# Altium PCB Stabilizer.PCBDOC (part 6 of 8) (continued)
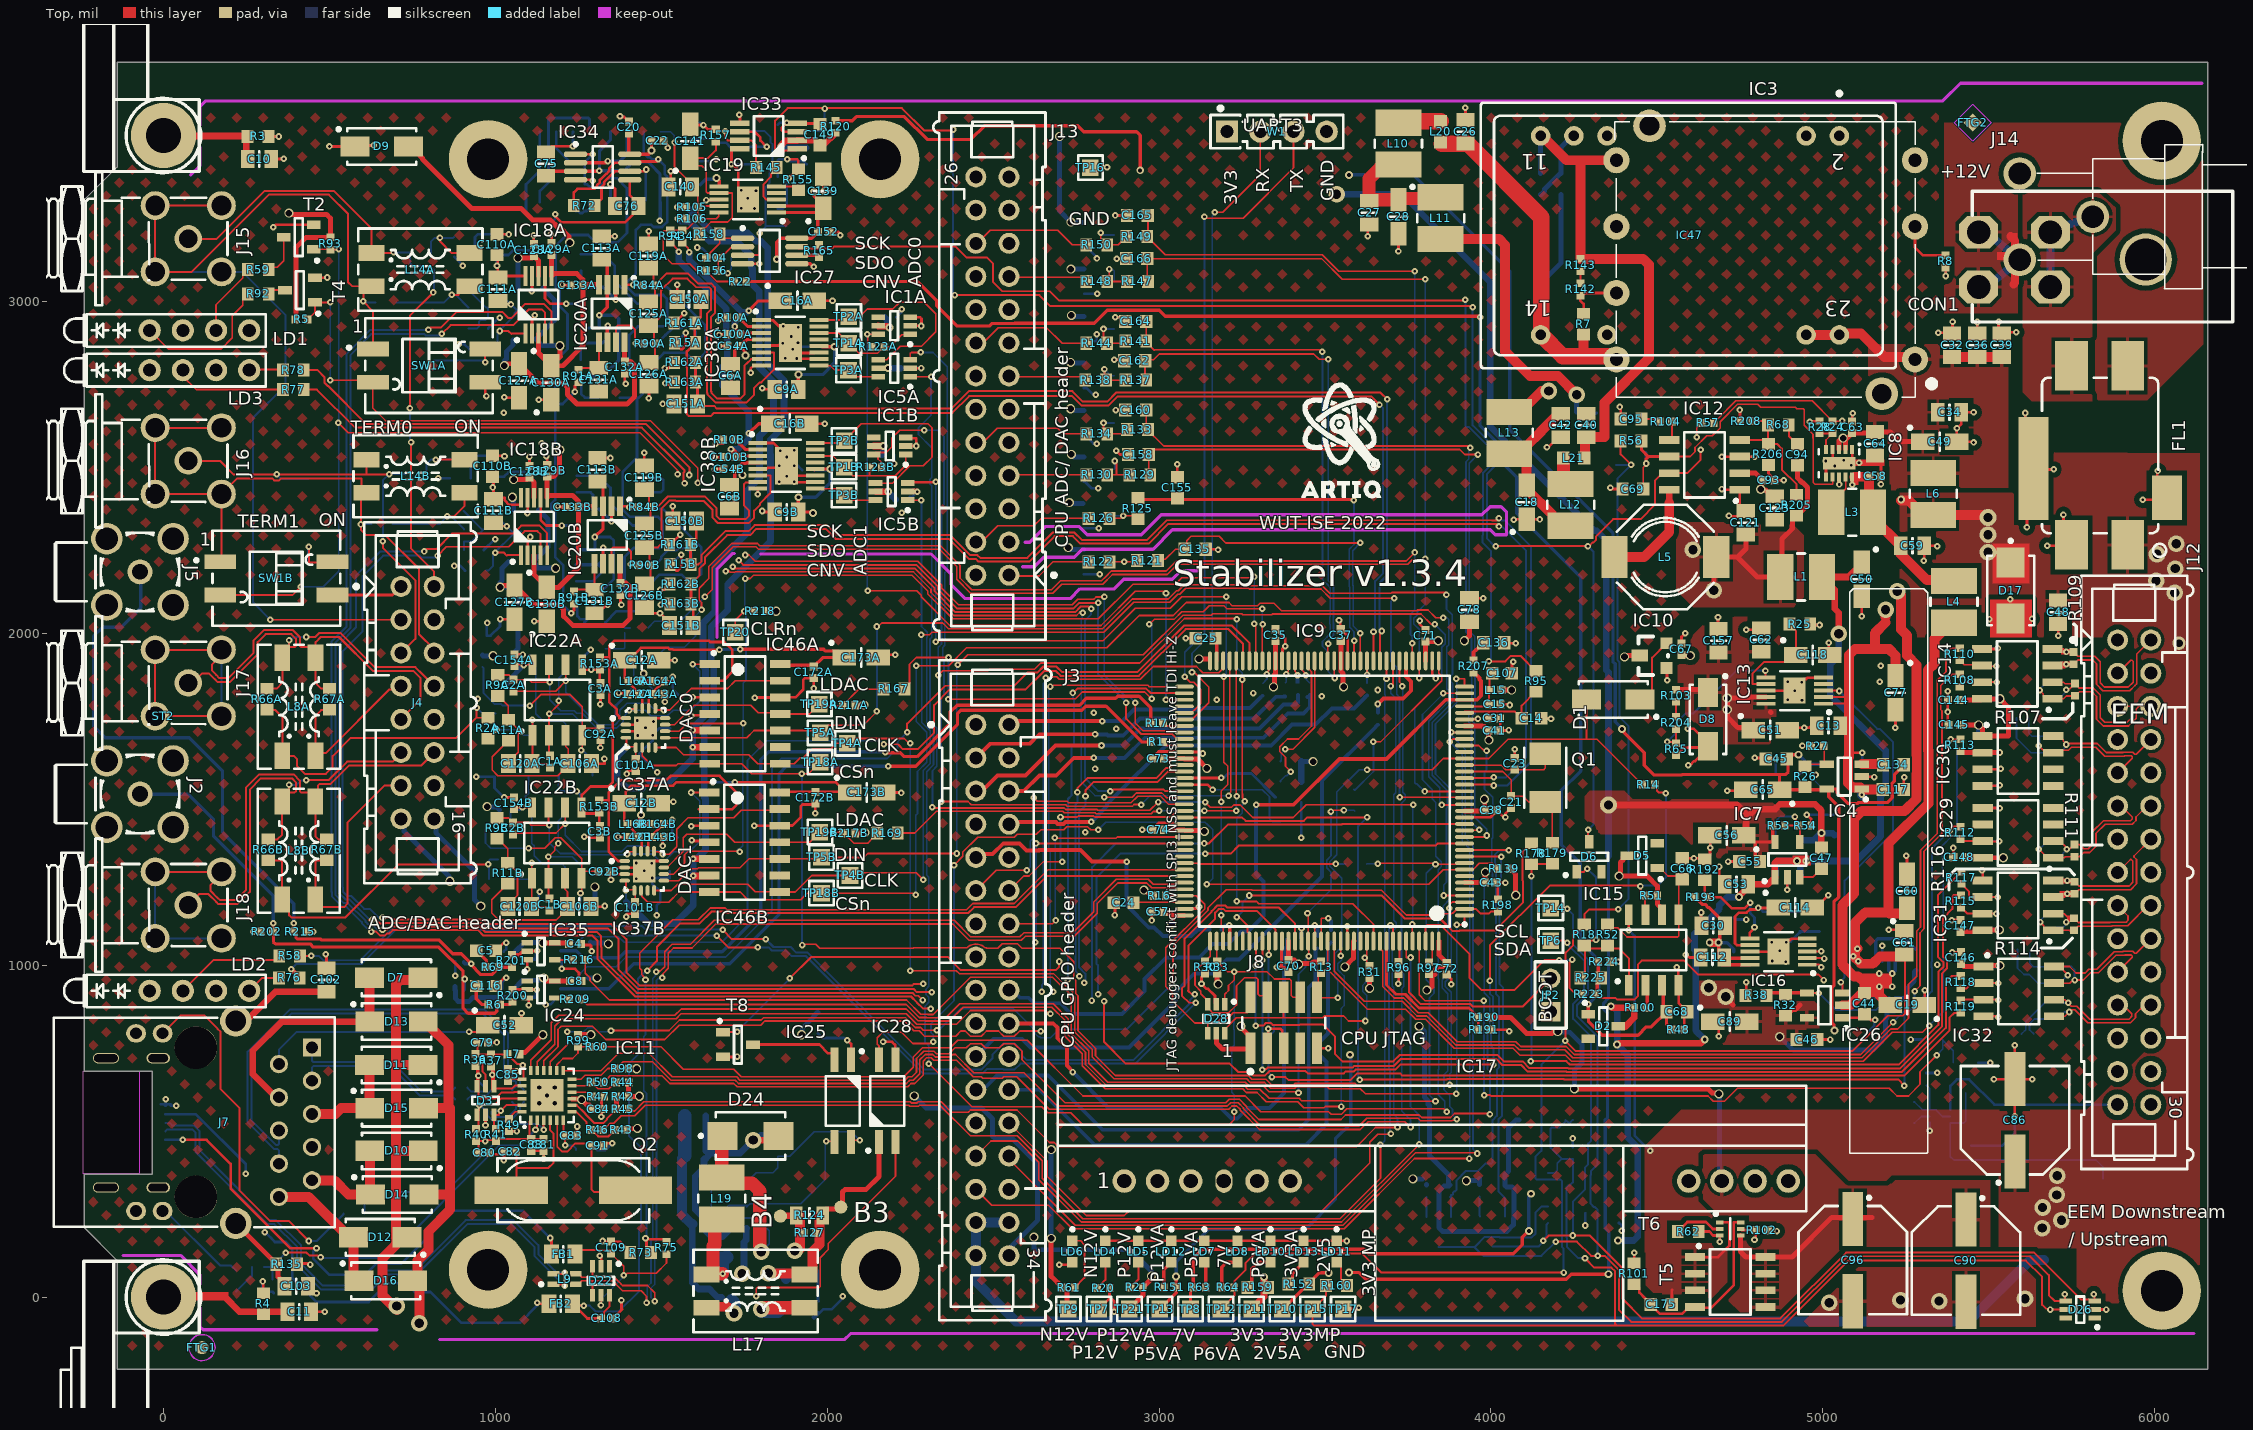
[diagram p0: Top view]
## Nets (pads, with @x,y where several pads share a name; then routed paths per layer and width w, separated by ;. In a path a pad name is that pad's centre, name@x,y a point inside that pad or via, vN(x,y) a via of type N, cw(c..) or ccw(c..) an arc to the next point about the centre after c; other vN are vias at no path point) (continued)
  Top w6: 2216.26,1662.83 2228.2,1650.89 2272.9,1650.89 2322.17,1700.16 2322.17,1783.4 2369.57,1830.81 2597.99,1830.81 2653.69,1886.5 2688.39,1886.5 2703.16,1871.74 2939.03,1871.74 3079.64,2012.34 3209.12,2012.34 3252.09,1969.38 IC9.67@3252.09,1916.94
  Bot w5: IC2.1@1196.31,1069.35 R214.1@1248.97,1069.35 1248.97,1070.14 1267.89,1089.05 1300.51,1089.05 1304.34,1085.22 1372.05,1085.22 1387.92,1069.35 1681.69,1069.35 1759.61,1147.26 1759.61,1617.75 1818.47,1676.61 2158.83,1676.61 v1(2169.74,1665.71)
OEn_DO1: IC9.66 IC21.1 R203.1 | length 2887.5
  Top w6: v1(2241,1702.26) 2241,1727.65 2355.35,1842.01 2563.43,1842.01 2603.16,1881.74 2633.36,1881.74 2651.71,1900.08 2690.37,1900.08 2707.71,1882.74 2934.47,1882.74 3075.37,2023.63 3219.22,2023.63 3271.78,1971.07 IC9.66@3271.78,1916.94
  Bot w5: IC21.1@1196.31,954.26 1235.86,954.26 R203.1@1243.34,961.74 1243.34,962.53 1276.08,995.26 1364.28,995.26 1393.75,1024.73 1694.24,1024.73 1833.62,1164.12 1833.62,1594.87 1861.66,1622.91 2180.65,1622.91 2211.88,1654.15 2211.88,1673.14 v1(2241,1702.26)
P2V5A: C7A.2 C7B.2 C9A.2 C9B.2 C47.2 C55.2 C56.1 C137A.2 C137B.2 C159A.2 C159B.2 C171.2 IC1A.5 IC1B.5 IC5A.5 IC5B.5 IC7.5 IC38A.12 IC38B.12 IC45.5 R53.2 R152.2 TP10.1 | length 9923.6
  Top w10: C9A.2@1912.99,2735.2 v4(1912.99,2779.76) ; v4(1913.13,2409.95) C9B.2@1913.13,2365.38 1955.07,2365.38 v4(1957.44,2363.02) ; IC38B.12@1959.39,2494.51 1961.55,2492.35 1964.2,2495 v4(2009,2495) ; IC38A.12@1984.26,2863.17 1991,2863.17 1991.19,2863.36 v4(2021.64,2863.36) ; TP10.1@3370.59,-36.02 3372.98,-36.02 3482,73 v4(3511,73) ; v4(3572,74) 3602.34,74 3622.21,54.13 4227.22,54.13 4242.09,69 v4(4354.5,69) ; C55.2@4796.68,1312.36 4796.68,1369.42 4798.65,1371.38 IC7.5@4855.76,1371.38 ; R53.2@4849.05,1420.63 4849.05,1378.1 IC7.5@4855.76,1371.38 ; IC7.5@4855.76,1357.02 IC7.5@4855.76,1371.38
  Top w20: IC1B.5@2139.77,2564.37 v4(2169.74,2564.37) ; IC5B.5@2145.77,2427 v4(2183.68,2427) ; IC1A.5@2153.36,2926.86 2154.5,2925.72 2179.65,2925.72 2183.68,2921.69 2187.31,2921.69 v4(2188,2921) ; v5(4354,1482.81) 4741.28,1482.81 4769.12,1454.97 4769.12,1442.83 ; C56.1@4769.12,1394 4769.12,1442.83 ; C47.2@4995.5,1353.7 v4(4995.5,1398.42) 4995.5,1465.84 4976.49,1484.85 4870.22,1484.85 4855.74,1470.37 4796.67,1470.37 4775.19,1448.9 4769.12,1442.83
  L3 w10: v4(1957.44,2363.02) 1996.46,2324 2113,2324 2147,2358 2147,2407 2191.67,2451.67 2133.53,2451.67 2079,2506.2 2079,2560 2114,2595 2114,2666.86 2073.61,2707.25 2174.34,2807.97 ; v4(2009,2495) 2009,2586.66 1972.16,2623.5 1972.16,2639.94 1989.91,2657.7 1989.91,2700.21 1957.29,2732.84 1957.29,2829.69 1989.77,2862.17 2025.66,2862.17 2105,2941.5 2105,2949 2225.06,2949 2345,3068.94 2345,3175 2356,3186 ; 3495.21,77.21 3498.41,74 ; v4(3511,73) 3499.41,73 3498.41,74 ; v4(3572,74) 3498.41,74
  L3 w20: 2351,3191 2385,3225 2640,3225 2766,3351 3498.69,3351 3526.69,3323 v5(3534.8,3323)
  Bot w10: v4(1912.99,2779.76) 1986.51,2779.76 2021.64,2814.89 v4(2021.64,2863.36) C137A.2@1982.1,2863.36 ; v4(1913.13,2409.95) 1964.8,2409.95 2009,2454.15 v4(2009,2495) 2006.54,2492.54 C137B.2@1959.39,2492.54 ; 4354,1329 4354,900.19 4339.19,885.38 4339.19,867.31 4351.11,855.39 4351.11,540.76 4344.24,533.89 4344.24,207.45 4354.5,197.19 v4(4354.5,69)
  Bot w20: C7B.2@2165.57,2538.45 2169.05,2541.93 2169.05,2563.68 v4(2169.74,2564.37) ; C7A.2@2172.86,2952.29 2181.09,2944.06 2181.09,2928.89 2188,2921.98 v4(2188,2921) ; v4@2183.14,2799.45 v4(2183,2799.31) 2183.54,2798.77 C159A.2@2221.28,2798.77 C159A.2@2221.14,2798.62 ; v4(2183.68,2427) 2183.68,2426.02 2203.36,2406.34 2203.36,2405.2 C159B.2@2205.57,2403 ; v5(3534.8,3323) 3732.85,3323 3998,3057.85 3998,2623 4312.07,2308.93 4318.91,2308.93 4347.53,2280.31 4347.53,1888.85 4354,1882.38 v5(4354,1482.81) 4354,1329 ; IC45.5@4932.51,1376.93 4973.34,1376.93 4994.83,1398.42 v4(4995.5,1398.42) 4996.2,1397.73 5029.36,1397.73 C171.2@5035,1392.09
P3V3: C4.2 C8.2 C35.1 C37.1 C38.1 C41.1 C43.1 C57.1 C67.1 C70.1 C71.1 C72.1 C73.1 C74.1 C78.2 C84.2 C94.2 C121.2 C144.2 C145.2 C146.2 C147.2 C148.2 C161.2 C163.2 D5.3 D18.2 D23.2 D25.2 D27.2 D28.5 D29.2 D30.5 D31.2 D33.2 D34.2 D35.2 IC2.5 IC9.6 IC9.17 IC9.30 IC9.39 IC9.52 IC9.62 IC9.72 IC9.84 IC9.95 IC9.108 IC9.121 IC9.131 IC9.144 IC10.3 IC11.9 IC14.8 IC15.6 IC21.5 IC23.1 IC24.5 IC29.8 IC30.1 IC31.8 IC32.1 IC35.5 IC36.1 IC39.8 IC40.1 IC41.8 J3.34 J8.1 JP2.1 L1.1 L5.2 L7.2 L15.1 LD1.2 LD1.4 R5.1 R13.1 R16.1 R23.1 R31.1 R33.1 R42.1 R43.1 R44.1 R51.1 R74.1 R93.1 R97.2 R98.1 R99.1 R139.2 R168.2 R180.2 R181.2 R203.2 R205.2 R214.2 R217A.1 R217B.1 W1.1 | length 22738.7
  Top w15: v2(378,3266) 382,3262 492,3262 503,3251 R93.1@503,3192.96 R93.1@503,3192.96 430,3193 399.07,3162.07 399.07,2945.77 R5.1@397.4,2945.77 ; L7.2@1072.64,731.64 1072.64,732.03 1076.95,736.35 1088.95,736.35 v2(1143.08,790.47) ; v2(1143.08,1067.38) IC35.5@1178.68,1067.38 1179.05,1067.01 1219.14,1067.01 C4.2@1222.2,1063.94 ; v2@1155.75,952.47 1178.31,952.47 IC24.5@1178.68,952.09 C8.2@1224.66,952.09 ; IC11.9@1230.29,596.11 v2@1249.81,596.11 ; R99.1@1249.21,790.88 1287.65,790.88 v2(1287.77,791) ; v2@1267.62,586.68 1274.94,579.36 1283.42,579.36 1294.2,568.58 C84.2@1291.88,566.26 ; R43.1@1397.75,507.17 v2@1428,507.17 ; R44.1@1401.38,647 1401.38,604.46 R42.1@1401.77,604.06 1433.06,604.06 v2(1434,605) ; R98.1@1401.38,688.56 1401.66,688.28 1425.44,688.28 v2(1425.72,688) ; R217A.1@2084.36,1783.51 R217A.1@2084.26,1783.4 2109.76,1783.4 v2(2109.87,1783.51) ; R217B.1@2084.46,1397.62 2085.38,1398.53 2112.37,1398.53 v2(2113.29,1399.45) ; v2(2954,1226.45) 2957.4,1226.45 2969.89,1213.96 2978.65,1213.96 2982.57,1210.05 R16.1@2982.57,1209.26 ; C57.1@3012.88,1161.03 3017.59,1156.32 3033.88,1156.32 3040,1150.2 ; C74.1@3014.85,1407.97 3015.78,1407.04 3074.98,1407.04 IC9.95@3075.91,1406.11 3133.59,1406.11 v2(3136.69,1403) ; C73.1@3014.85,1622.64 IC9.84@3075.91,1622.64 ; v2(3037.52,1123) 3039.93,1125.4 3039.93,1150.13 3040,1150.2 ; IC9.108@3075.91,1150.2 3040,1150.2 ; IC9.84@3075.91,1621.36 3115.63,1621.36 v2(3143.99,1593) ; v2(3120.2,1923) 3147.6,1923 IC9.72@3149.88,1920.72 ; D28.5@3172.23,795.56 3172.6,795.19 3172.6,765.78 3190.81,747.57 3273.06,747.57 J8.1@3275.58,750.09 3275.58,782.76 3248.66,809.68 3248.66,813.7 v2(3246.26,816.1) ; R33.1@3175.07,974.58 3175.07,946.13 3177.6,943.6 v2(3177.6,943) ; v2(3344.72,1838.53) 3347.44,1838.53 3347.44,1875.62 3350.52,1878.69 IC9.62@3350.52,1916.94 C35.1@3350.52,1976.91 ; IC9.121@3389.89,1072.45 3389.81,1072.37 C70.1@3389.81,1015.27 3407.73,1015.27 ; v2@3418.12,1004.88 3460.11,1004.88 3465.2,1009.97 3485.98,1009.97 R13.1@3488.31,1012.31 ; C37.1@3547.37,1976.91 IC9.52@3547.37,1916.94 3547.37,1885.63 3554.33,1878.67 v2@3554.33,1847.74 ; v2(3560,995.08) 3585.46,1020.54 3585.46,1071.17 IC9.131@3586.74,1072.45 ; v2(3634.39,930.24) R31.1@3634.39,960.94 ; IC9.39@3803.27,1916.94 3803.27,1973.75 C71.1@3802.08,1974.94 3838.51,1974.94 v2(3841.07,1977.5) ; R97.2@3812.95,972.37 3832.02,972.37 3832.02,987.15 3841.34,996.46 3856.12,996.46 C72.1@3866.84,1007.19 3842.64,1031.39 IC9.144@3842.64,1072.45 ; 3819.03,933.52 3822.96,933.52 R97.2@3822.96,970.97 ; v2(3920,1977.5) 3934.8,1992.31 C78.2@3934.8,2034.91 ; IC9.6@3920.4,1248.63 C43.1@3982.41,1248.63 3982.41,1279.9 v2(3983.14,1280.64) ; IC9.17@3920.4,1465.16 3980.56,1465.16 C38.1@3982.41,1467.01 3981.2,1468.22 3981.2,1498.8 v2(3980,1500) ; IC9.30@3920.4,1721.07 3920.81,1720.66 3970.06,1720.66 3970.47,1721.07 3972.72,1721.07 3972.72,1718.92 3980.37,1718.92 C41.1@3992.25,1707.04 3992.25,1679.65 v2(3993.82,1678.07) ; L15.1@4032.01,1829.19 v2(4062.17,1829.19) ; R139.2@4057.88,1290.7 4057.88,1289.92 4061.79,1286 4062.58,1286 4074.44,1274.14 v2(4074.44,1210.89) ; v2(4386,1268.6) 4471.07,1268.6 4501.31,1238.37 R51.1@4501.31,1209.75 4501.31,1184.04 4510.09,1175.26 4510.97,1175.26 4515.28,1170.95 IC15.6@4515.28,1152.25 ; 4390.4,1281.88 4390.4,1309.92 4397.58,1317.1 4397.58,1324.97 4402.88,1330.27 D5.3@4410.75,1330.27 ; v2(4402.31,1928.99) 4406.35,1933.04 IC10.3@4448.81,1933.04 ; C67.1@4574,1934.41 4574.89,1933.52 4599.65,1933.52 v2(4600.53,1932.63) ; v5(4671.19,2129.65) 4671.19,2221.95 L5.2@4678.9,2229.65 4742.68,2229.65 ; C121.2@4768.14,2281.33 4768.14,2255.12 4742.68,2229.65 ; C94.2@4923,2507.01 4923,2468.7 4937.16,2454.55 4939.03,2454.55 4954.13,2439.45 4954.13,2385.66 4922.97,2354.5 R205.2@4921,2354.5 4919.03,2354.5 4908.81,2344.29 4908.81,2316.41 4876.49,2284.08 4876.49,2174.77 L1.1@4871.49,2169.77 4802.56,2169.77 4742.68,2229.65 ; C144.2@5412.19,1799 5475.62,1799 IC14.8@5479.36,1802.74 v2(5533.67,1802.74) 5558.78,1777.63 5558.78,1690.31 IC30.1@5481.36,1690.31 5481.36,1711.75 v2(5469.33,1723.78) C145.2@5414.18,1723.78 ; C147.2@5414.58,1100.77 5477.08,1100.77 IC31.8@5481.36,1105.05 5482.74,1106.44 v2(5531.53,1106.44) ; C146.2@5416.18,1004.34 5424.5,996.02 IC32.1@5483.76,996.02 5486.45,998.72 v2(5533.53,998.72) ; C148.2@5428.31,1325.37 5480.16,1325.37 IC29.8@5481.76,1323.78 v2(5543.54,1323.78)
  L3 w15: LD1.2@58.43,2912.92 104.39,2958.89 212.46,2958.89 LD1.4@258.43,2912.92 311,2965.5 311,3211.16 308.41,3213.75 308.41,3234.41 340,3266 v2(378,3266) 393,3266 425.06,3298.06 1032.21,3298.06 1054.49,3320.34 1203.75,3320.34 1219.09,3305 1456.86,3305 1497.36,3345.5 1705.96,3345.5 1724.46,3364 1829,3364 1894.94,3298.06 2264.78,3298.06 2463.72,3497 v2(2700.05,3497) 2763,3497 2851.5,3585.5 3075.44,3585.5 3149.18,3511.77 W1.1@3204.88,3511.77 ; v2(1143.08,790.47) 1143.08,838.48 1191.6,887 ; v2(1260,595) 1424,595 ; v2(1425.72,688) 1425.72,691.19 1325.91,791 v2(1287.77,791) 1242.87,835.9 1220.5,835.9 1195.22,861.18 1195.22,883.38 1191.6,887 ; v2(1428,508) 1428,591 1424,595 ; v2@1428.91,688 1428.91,610.09 v2(1434,605) 1424,595 ; 1924.71,453.7 1924.71,475.96 ; v2(2734.02,3239.1) v2(2734.02,3097.61) 2734.02,2266.01 v2(2726.3,2258.3) 2726.3,2018.3 2726,2018 ; v2(2954,1226.45) 3023.86,1226.45 3032.92,1217.4 ; 3036.66,1012.87 3036.66,1122.13 v2(3037.52,1123) 3032.92,1127.61 3032.92,1217.4 ; v2(3136.69,1403) 3136.69,1400.03 3160.86,1375.86 3160.86,1326.75 3106.19,1272.07 3087.59,1272.07 3032.92,1217.4 ; v2(3177.6,943) 3210.5,943 3217.43,949.93 3220,947.36 ; v2(3246.26,816.1) 3246.26,825.57 3220,851.84 3220,947.36 ; v2(3344.72,1838.53) 3344.72,1866.12 3346.34,1867.75 3346.34,1890.79 ; v2(3556,1838.53) 3556,1887.23 ; v2@3803.73,927.13 3771.04,927.13 3767.93,930.24 3750.98,930.24 3725.78,905.05 3662.98,905.05 3637.78,930.24 v2(3634.39,930.24) 3634.39,930.89 3570.19,995.08 v2(3560,995.08) 3431.32,995.08 3423.4,1003 v2(3420,1003) 3420,995.08 3372.28,947.36 3220,947.36 ; v2(3806.84,924.73) 3809.12,927 v2@3820,927 ; v2(3993.82,1678.07) 4020,1651.89 4020,1649.18 ; JP2.1@4180,860.13 3886.87,860.13 v2@3820,927 ; v2(4386,1268.6) 4258.84,1268.6 4236.5,1290.95 4042.95,1290.95 4010.94,1258.94 4004.84,1258.94 ; v5(4671.19,2129.65) 4582.55,2129.65 4457.95,2005.05 4463.94,1999.06 4463.94,1955.92 4337.21,1829.19 v2(4062.17,1829.19) ; 1191.6,887 1191.6,916.14 v2(1146,961.74) 1146,990.74 1214.95,1059.69 1227.37,1059.69 1288.27,998.79 1300.7,998.79 1329.75,1027.84 1399.8,1027.84 1440.43,1068.47 1549.56,1068.47 1633.74,1152.65 1869.65,1152.65 1999,1282 1999,1404 2012.64,1417.64 2012.64,1514.72 2021.43,1523.5 2142.03,1523.5 2175.35,1490.18 2191.23,1490.18 2200.85,1499.8 2200.85,1585 2218.66,1602.8 2218.66,1795.94 2227.17,1804.45 2227.17,1997.58 2236.7,2007.11 2263.37,2007.11 2274.6,2018.34 2483.94,2018.34 2484.28,2018 2726,2018 ; 2726,2018 2824,2018 2919,1923 v2(3120.2,1923) 3314.14,1923 3346.34,1890.79 ; 3346.34,1890.79 3346.34,1897.06 3372.28,1923 3520.23,1923 3556,1887.23 ; 3556,1887.23 3556,1889.75 3570.19,1903.94 3767.5,1903.94 v2(3841.07,1977.5) v2(3920,1977.5) 4008.24,1977.5 4017.03,1968.72 4017.03,1899.97 4062.17,1854.83 v2(4062.17,1829.19) ; v2@3820,927 3820,991.97 4004.84,1176.8 4004.84,1258.94 ; 4004.84,1258.94 v2(3983.14,1280.64) 3983.14,1341.3 4030.64,1388.8 4030.64,1426.03 3982.4,1474.27 3982.4,1497.6 v2(3980,1500) 3980,1609.18 3994.52,1623.7 3995.85,1623.7 4020,1647.85 4020,1649.18 ; 4020,1649.18 4057,1686.18 4062.72,1686.18 4075.81,1699.27 4075.81,1704.99 4079.34,1708.52 4079.34,1812.02 v2(4062.17,1829.19)
  Bot w15: D30.5@878.96,935.4 D30.5@878.96,924.57 879.33,924.2 879.33,900.05 888.12,891.27 921.02,891.27 932.83,903.08 1037.53,903.08 1045.74,911.29 1045.74,917.94 C163.2@1056.47,928.67 1081.68,953.89 1109.32,953.89 IC21.5@1109.69,954.26 1110.07,954.63 1135.49,954.63 1142.6,961.74 v2(1146,961.74) ; C161.2@1060.48,1041.14 1088.32,1068.98 1109.32,1068.98 IC2.5@1109.69,1069.35 1110.07,1068.98 1141.48,1068.98 v2(1143.08,1067.38) ; R203.2@1280.35,961.74 v2(1306.5,961.74) ; R214.2@1285.98,1069.35 1288.98,1066.35 1338.1,1066.35 v2(1340.5,1063.94) ; v2(1922.87,790.47) 1924.71,792.31 1924.71,809.95 1959.87,845.11 1959.87,847.08 1970.09,857.3 R168.2@1972.06,857.3 ; v2(2262,606) 2297.73,570.27 2464.48,570.27 2497.8,536.95 2497.8,485.4 2506.58,476.61 2558.14,476.61 2634,400.75 2634,231.72 2547.8,145.52 J3.34@2547.8,124.73 ; v2(2700.05,3497) 2700.05,3273.06 v2(2734.02,3239.1) 2735.74,3237.37 D34.2@2774.37,3237.37 ; v2(2726.3,2258.3) 2732.03,2252.57 D23.2@2773.39,2252.57 ; v2(2729.35,2393.93) 2731.79,2391.49 D25.2@2770.43,2391.49 ; v2(2733.49,2676.7) 2738.92,2671.27 D29.2@2773.39,2671.27 ; v2(2733.49,2816.2) 2735.8,2813.89 D31.2@2773.39,2813.89 ; v2(2734.02,3097.61) D35.2@2774.37,3097.61 ; v2(2735.74,2538.91) 2743.14,2531.51 D27.2@2773.39,2531.51 ; v2(2735.74,2957.96) 2739.25,2954.45 D33.2@2774.37,2954.45 ; R180.2@3428.64,1613.61 3428.81,1613.44 3463.9,1613.44 v2(3464.06,1613.28) ; v2(3783.59,815.44) 3784.24,815.44 3799.49,800.2 3799.49,602.19 3810.46,591.22 3810.46,580.83 3814.49,576.8 3814.49,426.1 3871.26,369.33 3871.26,341.79 3875.17,337.88 R23.1@3875.96,337.88 3873.32,335.23 3859.12,335.23 3842.66,318.77 3842.66,209.22 3854.32,197.56 4047.67,197.56 4067.54,217.43 4067.54,236.44 4068.85,237.75 4068.85,326.45 4063.31,331.99 4046.22,331.99 R74.1@4042.3,335.91 4042.3,368.7 4052.93,379.32 4052.93,510.97 4075.94,533.98 D18.2@4085.05,533.98 ; v2(5469.33,1723.78) 5469,1723.45 5469,1694.62 5473.31,1690.31 IC39.8@5481.7,1690.31 ; IC23.1@5479.36,1802.74 v2(5533.67,1802.74) ; IC40.1@5481.36,1105.05 5482.05,1105.75 5530.83,1105.75 v2(5531.53,1106.44) ; IC36.1@5481.75,1323.77 v2(5543.54,1323.78) ; IC41.8@5483.76,996.02 5485.1,997.37 5532.18,997.37 v2(5533.53,998.72)
  Bot w20: R181.2@3428.64,1553.63 R180.2@3428.64,1613.61
  other v5: 4608.46,2252
P3V3_MP: C17.2 D18.1 D26.5 IC6.4 IC48.8 J12.30 R160.1 TP15.1 | length 4854.9
  Top w6: R160.1@3503.09,34.35 3503.09,4.44 TP15.1@3462.63,-36.02 3462.63,-81.63 3467,-86 4379.72,-86 ; v1(4283.31,117) 4311.5,88.81 4362.7,88.81 4374.31,77.21 4374.31,-80.59 4379.72,-86 ; D26.5@5732.39,-37.56 v1(5684.94,-37.56) 5682.57,-35.19 5672.66,-35.19 5660.61,-23.14 5660.61,60.96 5611.57,110 5077,110 4881,-86 4379.72,-86
  L3 w6: v1(5684.94,-37.56) 5737.64,-37.56 5743.86,-43.77 5792.86,-43.77 5837.2,0.57 5837.2,123.54 5822.15,138.59 5600.59,138.59 5578.5,160.68 5578.5,414.82 5622.02,458.33 5936.13,458.33 5988.13,510.33 J12.30@5988.13,579.79
  Bot w6: IC48.8@4172.15,373.41 4190.85,373.41 4199.66,382.22 4199.66,402.71 4213.32,416.36 ; D18.1@4246.47,533.98 4235.43,522.93 4229.03,529.33 4226.54,531.82 4224.94,533.42 4224.94,530.21 4206.16,511.44 4183.51,511.44 4180,507.92 4180,449.68 4213.32,416.36 ; v1(4283.31,117) 4263,117 4229.5,150.5 4229.5,177.4 4226.79,180.11 4226.79,330.3 4233.02,336.53 4237.79,336.53 4246.6,345.34 C17.2@4246.6,416.36 4213.32,416.36
P3V3A: C50.1 C53.2 D2.3 IC7.1 IC45.1 IC45.3 L1.2 R100.2 R159.1 TP11.1 | length 4683.3
  Top w20: TP11.1@3278.55,-36.02 3316.09,1.52 v4(3316.09,60) ; v4(4361,876.35) 4365.86,871.49 R100.2@4431.27,871.49 4431.27,841.6 4403.71,814.04 D2.3@4378.51,814.04 ; v4(4380,761) 4380.98,761 4384.52,764.54 4631.56,764.54 4643.02,776 v4(4644,776) ; v4(4746.8,1205.19) 4746.8,1207.6 4775.03,1235.83 C53.2@4775.03,1243.46 4834.14,1243.46 IC7.1@4855.76,1265.08 ; IC7.1@4854.75,1265.08 4854.75,1306.96 4861.8,1314 v4(4922,1314) ; v5(5047.99,1999.06) 5047.99,2061.98 5036,2073.97 5036,2131.24 L1.2@4997.47,2169.77 5076.89,2169.77 5117.55,2210.43 C50.1@5117.55,2214.18
  L3 w20: v4(3316.09,60) 3371,60 3428,117 4248.17,117 4315.17,184 4335.17,184 4347.87,171.31 4382.13,171.31 v4(4382.82,170.61)
  Bot w20: v4(4361,876.35) 4361.69,875.65 4367.17,875.65 4380,862.82 v4(4380,761) 4411.63,729.37 4411.63,481.72 4442.07,451.27 4442.07,182.33 4430.36,170.61 v4(4382.82,170.61) ; v4(4644,776) 4616.53,803.47 4616.53,1019.84 4617.79,1021.1 4617.79,1041.68 4613.03,1046.45 4613.03,1094.55 4688.24,1169.76 4688.24,1181.68 4711.76,1205.19 v4(4746.8,1205.19) ; IC45.3@4857.71,1270.63 4857.71,1302.28 4869.42,1314 v4(4922,1314) v4(4950.25,1314) 5099.39,1314 5173.53,1388.14 5173.53,1509.71 5189,1525.18 5189,1646.75 5023.7,1812.05 5022.53,1812.05 5022.53,1907.21 5047.99,1932.66 v5(5047.99,1999.06) ; 4931.68,1303.34 4931.68,1271.45 IC45.1@4932.51,1270.63
P3V3SW: IC12.8 L5.1 | length 324
  Top w20: 4537.11,2392.35 IC12.8@4537.11,2432.53
  Top w30: L5.1@4371.81,2229.65 4461.65,2229.65 4537.11,2305.11 4537.11,2392.35
P5V0A: C6A.2 C6B.2 C20.2 C22.2 C30.2 C54A.2 C54B.2 C112.2 C115.1 C122.2 C139.1 C152.2 IC16.9 IC16.10 IC19.1 IC19.2 IC19.6 IC27.8 IC34.8 IC38A.4 IC38B.4 L16A.1 L16B.1 R151.1 R164A.1 R164B.1 R193.2 TP13.1 | length 7922.4
  Top w10: C20.2@1402.18,3506.42 1402.18,3446.43 IC34.8@1405.13,3443.47 1461.81,3443.47 1460,3445.28 1469.72,3455 v4(1470.73,3455) C22.2@1470.73,3483.83 ; L16A.1@1436.48,1855.5 L16A.1@1441.04,1855.5 ; v4(1439.16,1452.59) 1434.71,1452.59 L16B.1@1434.71,1424.88 R164B.1@1470.39,1424.88 ; v4(1447,1879) 1447,1871.54 1436,1860.54 L16A.1@1441.04,1855.5 ; R164A.1@1472.16,1855.5 L16A.1@1441.04,1855.5 ; IC19.6@1674.44,3346.58 1674.44,3363.64 ; C6A.2@1720.09,2815.91 1721.67,2817.49 1721.67,2852.09 C54A.2@1734.9,2865.32 ; C6B.2@1720.24,2446.09 1721.82,2447.68 1721.82,2482.27 ; v4@1737.55,2480.44 C54B.2@1723.05,2494.94 1725.89,2494.94 1742.49,2511.53 1753.92,2511.53 1756.43,2514.04 1768.17,2514.04 1768.32,2514.2 IC38B.4@1796.01,2514.2 ; v4(1753.87,2837) 1753.87,2846.35 C54A.2@1734.9,2865.32 ; IC38A.4@1802.39,2885.12 1757.27,2885.12 1757.27,2884.84 1751.41,2878.98 1748.57,2878.98 C54A.2@1734.9,2865.32 ; IC19.1@1847.67,3267.84 C139.1@1971.61,3267.84 ; IC19.2@1847.67,3287.53 1964.34,3287.53 1971.61,3280.26 C139.1@1971.61,3267.84 ; v4(1848,3127) 1848,3178 1860.48,3190.48 IC27.8@1908.44,3190.48 1952.71,3190.48 C152.2@1971.61,3209.38 C139.1@1971.61,3267.84 ; v4(1960.18,3330) 1960.18,3316.76 1987.79,3289.15 C139.1@1987.79,3280.26 1984.03,3280.26 C139.1@1971.61,3267.84 ; TP13.1@3002.43,-36.02 3051.32,12.87 R151.1@3051.32,29.06 v4(3051.32,62.32) ; R193.2@4614.52,1205.19 4614.52,1204.4 4635.94,1182.99 4645.71,1182.99 4654.96,1173.74 4657.18,1173.74 4704.97,1125.94 C30.2@4704.97,1119.05 4689.3,1103.38 4689.3,1075.16 4685.83,1071.69 v4(4685.83,1068) 4685.83,1040.33 4687.1,1039.06 4687.1,1022.87 C112.2@4688.74,1021.23 ; C112.2@4692.88,1013.5 4692.23,1017.06 4692.23,1033.92 4698.8,1027.36 4702.24,1030.8 4702.76,1030.28 C112.2@4702.76,1023.39 4704.63,1023.39 4703.91,1022.48 4701.64,1019.62 4695.26,1011.61 4690.66,1005.84 4695.09,1001.41 IC16.10@4779.77,1001.41 ; C112.2@4696.16,1024.72 C112.2@4699.79,1021.1 ; C112.2@4707.45,1021.1 IC16.9@4779.77,1021.1
  L3 w10: v4(1439.16,1452.59) 1439.16,1653.68 1377.92,1714.93 1377.92,1794.48 1447,1863.56 v4(1447,1879) 1447,1925.67 1574.35,2053.01 1574.35,2084.78 1580.2,2090.64 1623.31,2090.64 1623.43,2090.52 1671.65,2090.52 1694.73,2113.6 1694.73,2145.38 1772.84,2223.49 1772.84,2404.16 1746,2431 1746,2591.67 1743.69,2593.98 1743.69,2723.09 1749.61,2729 1749.61,2798.58 1755,2803.97 1755,2947 1737,2965 1737,3016 v4(1848,3127) ; v4(1470.73,3455) 1470.73,3420.33 1519.02,3372.04 v4(1666.04,3372.04) 1707.75,3372.04 1717.21,3381.5 1845.9,3381.5 1897.4,3330 v4(1960.18,3330) ; 2372.32,648.18 2395.23,648.18 2426.48,679.43 2627.99,679.43 ; 2407.18,576.32 2589.27,576.32 ; 2414.15,683.77 2410.47,687.45 2410.47,695.73 2406.3,699.91 2406.3,741.92 2430.61,766.23 2588.73,766.23 2597.07,757.89 ; 3214.38,708.2 3366.02,708.2 3392.01,682.21 3723.16,682.21 3723.16,677.02 3734.78,665.4 3751.22,665.4 3762.84,677.02 3762.84,682.21 3844.45,682.21 3851.8,674.86 4197.76,674.86 4590.9,1068 v4(4659,1068)
  Bot w10: C122.2@1618,3351.57 1634.65,3368.22 1658.53,3368.22 1662.35,3372.04 v4(1666.04,3372.04) ; v4(3051.32,62.32) 3051.32,106.32 3149.76,204.76 3441.66,204.76 3531.28,294.37 3531.28,476.61 3577.6,522.93 3577.6,728.12 v4(3575.67,730.04) ; v4(4659,1068) v4(4685.83,1068) 4686.29,1067.54 4711.39,1067.54 4731,1047.93 C115.1@4731,1040.82
  other v4: 1745,2476.45
P6SW: IC8.9 L3.1 | length 124.2
  Top w5: L3.1@5025.35,2364.79 5025.35,2392.35 5068.66,2435.66 IC8.9@5068.66,2471.09
P6V0: C58.2 C59.2 IC8.8 IC8.10 L3.2 L4.1 R24.2 R57.2 | length 1419.6
  Top w5: R57.2@4671.5,2634 4671.5,2634.79 4680.42,2643.7 4681.21,2643.7 4737.85,2700.34 4968.15,2700.34 R24.2@5029.29,2639.2 5057.64,2639.2 v1(5058.82,2640.38) ; v1(5088.35,2447.47) IC8.10@5088.35,2471.09 5103.64,2471.09 C58.2@5139.53,2471.09 ; 5139.53,2460.27 C58.2@5139.53,2471.09 ; C58.2@5139.53,2473.06 C58.2@5139.53,2471.09
  Top w30: 5096,2471.09 C58.2@5139.53,2473.06 ; 5139.53,2460.27 5139.53,2376.6 L3.2@5151.34,2364.79 5151.34,2347.23 C59.2@5234.57,2264 5234.57,2239.43 5314,2160 L4.1@5391,2160
  L3 w5: v1(5048.98,2448.53) 5087.28,2448.53 v1(5088.35,2447.47) 5129.36,2488.48 5129.36,2668.09 5109.46,2688 5069,2688 5058.82,2677.82 v1(5058.82,2640.38)
P6V0A: C60.1 C61.2 D4.3 IC16.1 IC16.2 IC16.3 L4.2 R18.2 R56.2 R64.1 TP12.1 | length 7166.3
  Top w6: TP12.1@3186.51,-36.02 3226.87,4.35 3226.87,47.97 3259.92,81.01 3259.92,101.92 3288.97,130.97 3612.23,130.97 3669.23,73.97 v1(4219,73.97) ; v1(4383,1168) 4295.58,1168 4281.07,1153.49 R18.2@4281.07,1122.63 4279.1,1122.63 4247.32,1090.85 4247.32,1060.47 4225,1038.15 4225,773.23 v1(4224,772.23) 4255.04,741.19 5088.67,741.19 5195.15,847.67 5241.27,847.67 5247.36,853.76 5247.36,1018.41 C61.2@5239.33,1026.43 ; R56.2@4390.53,2579.96 4390.53,2539.02 v1(4422.02,2507.53) ; IC16.1@4953,1001.41 4987.89,1001.41 v1(4995.5,993.8) ; IC16.2@4953,1021.1 5003.6,1021.1 v1(5004.62,1020.07) ; IC16.3@4953,1040.78 4953.36,1041.15 4995.14,1041.15 v1(4995.5,1041.51)
  Top w30: v1(5104.3,1049.95) v1@5097.53,1049.95 ; C61.2@5245,1032.1 5239.33,1026.43 5172.44,1026.43 5150.32,1004.32 5115.1,1004.32 v1(5107,1012.42) 5097.53,1021.89 v1@5097.53,1049.95 ; C60.1@5251.48,1156.07 5200,1156.07 5197.27,1158.79 ; L4.2@5385.2,2032.01 5336.92,1983.73 5336.92,1909.66 5317.23,1889.97 5317.23,1647.06 5317.83,1646.47 5317.83,1487.02 5197.27,1366.47 5197.27,1158.79 ; v1@5097.53,1049.95 5097.53,1128.53 5127.79,1158.79 5197.27,1158.79
  L3 w6: v1(4995.5,993.8) 5088.38,993.8 v1(5107,1012.42) ; v1(4995.5,1041.51) 5103.24,1041.51 5107,1037.75 v1(5107,1012.42) ; v1(5004.62,1020.07) 5096.64,1020.07 5104.3,1012.42 v1(5107,1012.42)
  Bot w6: v1(4219,73.97) 4219,145.44 4213.32,151.13 4213.32,350.08 4209.8,353.6 4138.32,353.6 4133.64,358.28 4133.64,422.25 4151.75,440.36 4151.75,699.98 v1(4224,772.23) ; D4.3@4376.75,2507.53 v1(4422.02,2507.53) 4380.53,2466.04 4380.53,1919.97 4387,1913.5 4387,1748.02 4415,1720.02 4415,1200 v1(4383,1168)
  other v1: 5091.99,1027.43
P12V0: C48.2 C86.1 C175.2 D17.1 FL1.2 IC15.8 J3.31 J3.32 J3.33 L6.1 R20.2 T5.1 T5.2 T5.3 T6.1 T9.1 T9.2 T9.3 T10.1 TP7.1 | length 5090.4
  Top w8: TP7.1@2818.35,-36.02 2850.7,-3.66 2850.7,0.3 ; R20.2@2850.7,27.09 2850.7,0.3 ; v1(2865,-44) 2865,-14 2850.7,0.3 ; IC15.8@4415.28,1152.25 4415.28,1105.75 v1(4415.48,1105.95) ; C175.2@4545,-21.72 4545,20.78 4546.54,22.32 ; T5.1@4614.65,120.4 4684.47,120.4 4718.83,154.76 4718.83,223.06 4716.93,224.95 T6.1@4689.84,224.95
  Top w30: v4@5236,2399.85 5258.94,2399.85 5301.93,2356.86 v5@5502,2356.86
  L3 w8: J3.32@2547.8,224.73 J3.32@2550.82,224.73
  Bot w8: v1(2865,-44) 2867,-46 2867,-74 ; v1(4415.48,1105.95) 4433,1088.43 4433,487.21 v1(4479.69,440.52) ; v1(5321.8,501.2) T10.1@5321.8,524.63
  Bot w30: J3.32@2547.8,224.73 J3.31@2447.8,224.73 J3.33@2447.8,124.73 2447.8,47.2 2569,-74 2867,-74 5438.92,-74 5624.92,112 5665.62,112
  other v4: 5236,2402.85
  other v5: 5660.61,207.87 5718.86,231.17 5662.07,270.01 5704.3,307.87 5706,366 6060.01,2122 6004.05,2158 6062,2195 6006.65,2238 5497.48,2244.09 6065,2270 5497.48,2296.6 5497.48,2349
  other v7: 6072.6,1970.01
P12V0_CHA: C98A.1 C154A.2 D21A.2 IC22A.8 L2A.2 | length 293.1
  Top w5: C154A.2@1060.86,1905.44 IC22A.8@1111.85,1905.43
  Bot w15: D21A.2@1038.4,1848.33 1038.4,1857.49 v1(1085,1904.08) 1075.38,1913.71 1072.98,1913.71 1059.89,1926.8 1059.89,1945.3 1068.94,1954.35 L2A.2@1068.94,2055.61
P12V0_CHB: C98B.1 C154B.2 D21B.2 IC22B.8 L2B.2 | length 245.6
  Top w5: C154B.2@1059.1,1474.81 IC22B.8@1110.08,1474.81
  Bot w6: D21B.2@1045.32,1409.34 1045.32,1463.39 L2B.2@1049.25,1467.33 1073.16,1467.33 v1(1081.84,1476) 1090.27,1484.44 1090.27,1508.64 1100.01,1518.38 C98B.1@1100.01,1567.33
P12V0_EEM: J12.28 J12.29 T9.5 T9.6 T9.7 T9.8 T10.4 | length 616.2
  Bot w8: T10.4@5384,564 5384,636.19 5404,656.19 5440.37,656.19 5516.77,579.79 J12.29@5888.13,579.79